# Altium PCB cyber60-smk-B2.PcbDoc (part 1 of 4) (continued)
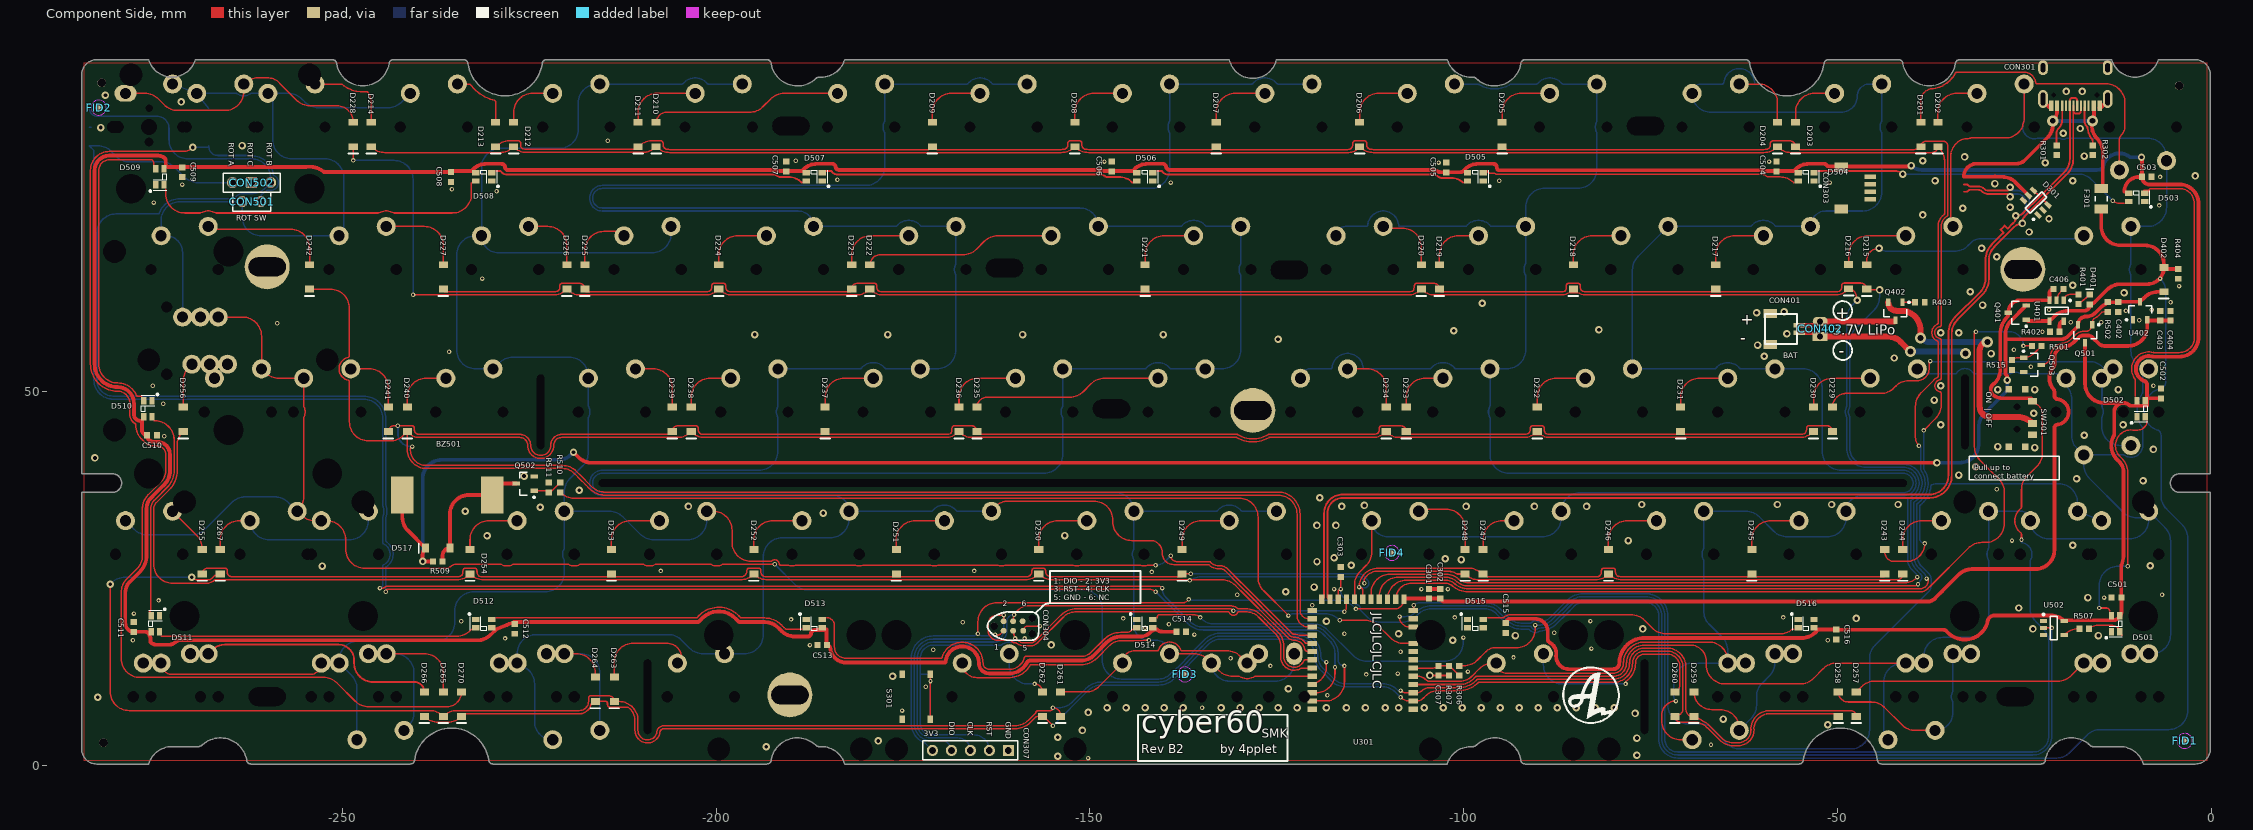
[diagram p0: Component Side view]
## Components (designator, comment, footprint, x,y, rotation, side; value= is the part's Value field where it differs from the comment) (continued)
S236 "MX" "SMK-switch - switched polarity" -156.787,47.315 r180 bottom locked
S237 "MX" "SMK-switch - switched polarity" -175.837,47.315 r180 bottom locked
S238 "MX" "SMK-switch - switched polarity" -194.887,47.315 r180 bottom locked
S239 "MX" SMK-switch -213.937,47.315 r180 bottom locked
S240 "MX" "SMK-switch - switched polarity" -232.987,47.315 r180 bottom
S241 "MX" SMK-switch -252.012,47.315 r180 bottom locked
S242 "MX" "SMK-switch - 1.5U" -271.087,66.365 r180 bottom locked
S243 "MX" "SMK-switch - Left shift v2" -21.056,28.265 r180 bottom locked
S244 "MX" "SMK-switch - switched polarity" -32.96,28.265 r180 bottom locked
S245 "MX" "SMK-switch - switched polarity" -52.012,28.265 r180 bottom locked
S246 "MX" "SMK-switch - switched polarity" -71.062,28.265 r180 bottom locked
S247 "MX" "SMK-switch - switched polarity" -90.112,28.265 r180 bottom locked
S248 "MX" SMK-switch -109.162,28.265 r180 bottom locked
S249 "MX" "SMK-switch - switched polarity" -128.212,28.265 r180 bottom locked
S250 "MX" "SMK-switch - switched polarity" -147.262,28.265 r180 bottom locked
S251 "MX" "SMK-switch - switched polarity" -166.312,28.265 r180 bottom locked
S252 "MX" "SMK-switch - switched polarity" -185.362,28.265 r180 bottom locked
S253 "MX" "SMK-switch - switched polarity" -204.412,28.265 r180 bottom locked
S254 "MX" "SMK-switch - switched polarity" -223.462,28.265 r180 bottom locked
S255 "MX" SMK-switch -275.85,28.265 r180 bottom
S256 "MX" "SMK-switch - Enter - rotated stab" -263.95,47.315 r180 bottom locked
S257 "MX" "SMK-switch - 1.5u MOD-L" -13.912,9.215 r180 bottom locked
S258 "MX" "SMK-switch - L_WIN V2" -37.719,9.215 r180 bottom locked
S259 "MX" "SMK-switch - L_ALT V2" -61.537,9.215 r180 bottom locked
S260 "MX" "SMK-switch - L split space_V2" -102.018,9.215 r0 bottom locked
S261 "MX" "SMK-switch - Space_V3" -142.499,9.215 r180 bottom locked
S262 "MX" "SMK-switch - R split space_V2" -163.931,9.215 r0 bottom locked
S263 "MX" "SMK-switch - switched polarity" -202.031,9.215 r180 bottom locked
S264 "MX" "SMK-switch - R_ALT V2" -223.462,9.215 r180 bottom locked
S265 "MX" "SMK-switch - R_WIN V2" -247.269,9.215 r180 bottom locked
S266 "MX" "SMK-switch - 1.5u MOD-R" -271.087,9.215 r180 bottom locked
S267 "MX" "SMK-switch - right shift v2" -259.18,28.265 r180 bottom locked
S301 "SW-PB" "XKB SWITCH" -173.228,9.215 r90 top
S302 "SW-PB" "XKB SWITCH" -173.228,9.215 r90 bottom locked
SW301 "Korean Hroparts Elec K3-1296S-E2" "Korean Hroparts Elec K3-1296S-E2" -26,46.5 r90 top
U301 "Holyiot-18010" "Holyiot-18010 - outer pads" -113.5,13.25 r180 top locked
U401 "TP4054 SOT23-5" SOT-23-5 -20.701,60.841 r270 top
U402 "XC6206P332MR - SOT23" SOT-23-3 -9.525,60.833 r90 top
U501 "EC-11 SMD" EC11-SMD -275.844,85.415 r90 bottom locked
U502 "SN74LV1T125" SOT-23-5 -21.082,18.415 r0 top

## Footprints (in the part's own frame and the unit in brackets; to place one, negate y for a bottom-side part, rotate by r counter-clockwise, add the part's x,y. Pads: shape width x height; smd on the part's side, far side on the other; paste and mask are expansions set on the pad)
"buzzer 12x12" [mm] "Buzzer"
  rect 3x5 smd: 1(-6,0) 2(6,0)
  body extent -6,-6 6,6, height 3.05
C0603[1608] [mm] "Chip Resistor, 2-Leads, Body 1,57x0,80mm, IPC Medium Density"
  rect 0.8x0.85 smd: 1(-0.65,0) 2(0.65,0)
  body extent -0.83,-0.43 0.82,0.43, height 0.5
C1206[3216] [mm]
  rect 1.2x1.8 smd: 1(-1.35,0) 2(1.35,0)
  silkscreen extent -0.35,-0.8 0.35,0.8, body extent -1.6,-0.9 1.6,0.9, height 1.2
EC11-SMD [mm]
  rect 1.5x2 smd: 1(-2.5,8) 2(2.5,8) A(-2.5,-8) B(2.5,-8) C(0,-8)
  rect 2.5x3 smd: M(-6.75,0)
  rect 2.5x2.2 smd: M(6.75,0.508)
  round 0 hole 1.2 unplated: ""(-2,0)
  round 0 hole 1.6 slot 2.2 at 90 deg unplated: ""(0,-4.5)
  round 0 hole 2.1 unplated: ""(0,0)
  round 0 hole 1 unplated: ""(2.5,0)
  body extent -7.5,-8.5 7.5,8.5, height 19.5
Fiducial_Nordic [mm]
  round 1 smd paste+0 mask+0.5: 0(0,0)
  Component Side keep-out circle w0.01: c0,0 r1
HDR1X2 [mm] "Connector; Header; 2 Position"
  round 1.5 hole 0.9: 1(0,0) 2(2.54,0)
  silkscreen extent -1.27,-1.27 3.81,1.27
HDR1X3 [mm] "Connector; Header; 3 Position"
  round 1.5 hole 0.9: 1(0,0) 3(5.08,0)
  rect 1.5x1.5 hole 0.9: 2(2.54,0)
  silkscreen extent -1.27,-1.27 6.35,1.27
HDR1X5 [mm] "Connector; Header; 5 Position"
  rect 1.5x1.5 hole 0.9: 1(0,0)
  round 1.5 hole 0.9: 2(2.54,0) 3(5.08,0) 4(7.62,0) 5(10.16,0)
  silkscreen extent -1.27,-1.27 11.43,1.27
"Holyiot-18010 - outer pads" [mm] "Holyiot long range Nordic nRF52840 chipset BLE module Ceramic Antenna Bluetooth low Energy for Bluetooth mesh"
  rect 1.3x0.7 smd: 1(-6.75,5.7) 2(-6.75,4.6) 3(-6.75,3.5) 4(-6.75,2.4) 5(-6.75,1.3) 6(-6.75,0.2) 7(-6.75,-0.9) 8(-6.75,-2) 9(-6.75,-3.1) 11(-6.75,-5.3) 12(-6.75,-6.4) 13(-6.75,-7.5) 25(6.75,-7.5) 26(6.75,-6.4) 27(6.75,-5.3) 28(6.75,-4.2) 29(6.75,-3.1) 30(6.75,-2) 31(6.75,-0.9) 32(6.75,0.2) 33(6.75,1.3) 34(6.75,2.4) 35(6.75,3.5) 36(6.75,4.6) 37(6.75,5.7)
  rect 0.7x1.3 smd: 14(-5.5,-9) 15(-4.4,-9) 16(-3.3,-9) 17(-2.2,-9) 18(-1.1,-9) 19(0,-9) 20(1.1,-9) 21(2.2,-9) 22(3.3,-9) 23(4.4,-9) 24(5.5,-9)
  body extent -6.75,-9 6.75,9, height 1.92
"JST S2B-PH-K(LF)(SN)" [mm]
  oval 1.25x2 hole 0.8: 1(1,0)
  rect 1.25x2 hole 0.8: 2(-1,0)
  body extent -2.95,-1.35 2.95,6.25, height 4.8
"JST SM02B-SRSS-TB" [mm]
  rect 0.6x1.55 smd: 1(-0.5,0) 2(0.5,0)
  rect 1.2x1.8 smd: 3(-2.1,-3.875) 3(2.1,-3.875)
  silkscreen extent -2,-4.57 2,-0.33, body extent -1.99,-4.58 1.99,0.41, height 3
"JST SM04B-SRSS-TB" [mm]
  rect 0.6x1.55 smd: 1(-1.5,3.875) 2(-0.5,3.875) 3(0.5,3.875) 4(1.5,3.875)
  rect 1.2x1.8 smd: 5(-2.8,0) 5(2.8,0)
  body extent -3.01,-0.76 2.99,4.19, height 3.25
"Korean Hroparts Elec K3-1296S-E2" [mm]
  rect 0.9x1.25 smd: 1(2.25,-2.075) 2(-0.75,-2.075) 3(-2.25,-2.075)
  rect 0.9x0.9 smd: M(-3.85,-1.1) M(-3.85,1.1) M(3.85,-1.1) M(3.85,1.1)
  round 0 hole 0.9 unplated: ""(-1.5,0) ""(1.5,0)
  body extent -3.85,-2.2 3.85,2.7, height 1.45
LED0603[1608] [mm] "Chip Resistor, 2-Leads, Body 1,57x0,80mm, IPC Medium Density"
  rect 0.8x0.85 smd: 1(-0.65,0) 2(0.65,0)
  silkscreen extent 1.37,-0.51 1.37,0.53, body extent -0.77,-0.4 0.83,0.4, height 0.8
R0603[1608] [mm] "Chip Resistor, 2-Leads, Body 1,57x0,80mm, IPC Medium Density"
  rect 0.8x0.85 smd: 1(-0.65,0) 2(0.65,0)
  body extent -0.83,-0.43 0.82,0.43, height 0.5
SMK-switch [mm]
  round 2.54 hole 1.499 mask+0.102: 1(-3.15,5.75) 2(3.15,4.5)
  round 1 hole 1.5 unplated: ""(-4.5,0) ""(4.5,0)
  round 1 on Mech14: ""(0,0)
"SMK-switch - 1.5U" [mm]
  round 2.54 hole 1.499 mask+0.102: 1(-3.15,5.75) 2(3.15,4.5)
  round 1 hole 1.5 unplated: ""(-4.5,0) ""(4.5,0)
  round 1 on Mech14: ""(0,0)
"SMK-switch - 1.5u MOD-L" [mm]
  round 2.54 hole 1.499 mask+0.102: 1(-5.531,5.75) 1(-3.15,5.75) 2(0.769,4.5) 2(3.15,4.5)
  round 1 hole 1.5 unplated: ""(-6.881,0) ""(-4.5,0) ""(2.119,0) ""(4.5,0)
  round 1 on Mech14: ""(-2.381,0) ""(0,0)
"SMK-switch - 1.5u MOD-R" [mm]
  round 2.54 hole 1.499 mask+0.102: 1(-3.15,5.75) 1(-0.769,5.75) 2(3.15,4.5) 2(5.531,4.5)
  round 1 hole 1.5 unplated: ""(-4.5,0) ""(-2.119,0) ""(4.5,0) ""(6.881,0)
  round 1 on Mech14: ""(0,0) ""(2.381,0)
"SMK-switch - backspace" [mm]
  round 2.54 hole 1.499 mask+0.102: 1(3.15,4.5) 1(6.375,5.75) 2(-3.15,5.75)
  oval 3x2.2 hole 1.499 mask+0.102: 2(12.675,4.5)
  round 1.524 hole 3.988 unplated: ""(-11.938,-8.255) ""(11.938,-8.255)
  round 1.524 hole 3.048 unplated: ""(-11.938,6.985) ""(11.938,6.985)
  round 1 hole 1.5 unplated: ""(-4.5,0) ""(4.5,0) ""(5.025,0) ""(14.025,0)
  round 1 on Mech14: ""(0,0) ""(9.525,0)
"SMK-switch - CAPS" [mm]
  round 2.54 hole 1.499 mask+0.102: 1(-7.912,5.75) 1(0.769,-5.75) 1(3.15,4.5) 2(-5.531,-4.5) 2(-3.15,5.75) 2(-1.613,4.5)
  round 1 hole 1.5 unplated: ""(-9.263,0) ""(-4.5,0) ""(-0.262,0) ""(4.5,0)
  round 1 on Mech14: ""(-4.763,0) ""(-2.381,0) ""(0,0)
"SMK-switch - Enter - rotated stab" [mm]
  round 2.54 hole 1.499 mask+0.102: 1(-3.15,5.75) 1(2.649,12.68) 1(5.03,12.68) 1(7.411,12.68) 2(1.399,6.38) 2(3.15,4.5) 2(3.78,6.38) 2(6.161,6.38)
  round 1.524 hole 3.988 unplated: ""(-11.938,-8.255) ""(1.275,-2.408) ""(1.275,21.468) ""(11.938,-8.255)
  round 1.524 hole 3.048 unplated: ""(-11.938,6.985) ""(11.938,6.985) ""(16.515,-2.408) ""(16.515,21.468)
  round 1 hole 1.5 unplated: ""(-4.5,0) ""(4.5,0) ""(9.53,5.03) ""(9.53,14.03)
  round 1 on Mech14: ""(0,0) ""(7.149,9.53) ""(9.53,9.53) ""(11.911,9.53)
"SMK-switch - L split space_V2" [mm]
  round 2.54 hole 1.499 mask+0.102: 1(12.675,-5.75) 2(6.375,-4.5)
  round 1.524 hole 3.988 unplated: ""(-2.413,-8.255)
  round 1.524 hole 3.048 unplated: ""(-2.413,6.985)
  round 1 hole 1.5 unplated: ""(5.025,0) ""(14.025,0)
  round 1 on Mech14: ""(9.525,0)
"SMK-switch - L_ALT V2" [mm]
  round 2.54 hole 1.499 mask+0.102: 1(-5.531,5.75) 1(-3.15,5.75) 1(1.613,-4.5) 2(0.769,4.5) 2(3.15,4.5) 2(7.912,-5.75)
  round 1 hole 1.5 unplated: ""(-6.881,0) ""(-4.5,0) ""(2.119,0) ""(4.5,0)
  round 1 on Mech14: ""(-2.381,0) ""(0,0) ""(4.763,0)
"SMK-switch - L_WIN V2" [mm]
  round 2.54 hole 1.499 mask+0.102: 1(-5.531,5.75) 1(-3.15,5.75) 1(-0.769,-4.5) 2(0.769,4.5) 2(3.15,4.5) 2(5.531,-5.75)
  round 1 hole 1.5 unplated: ""(-6.881,0) ""(-4.5,0) ""(2.119,0) ""(4.5,0)
  round 1 on Mech14: ""(-2.381,0) ""(0,0) ""(2.381,0)
"SMK-switch - Left shift v2" [mm]
  round 2.54 hole 1.499 mask+0.102: 1(-12.675,5.75) 1(3.15,4.5) 2(-6.375,4.5) 2(-3.15,5.75)
  round 1 hole 1.5 unplated: ""(-14.025,0) ""(-5.025,0) ""(-4.5,0) ""(4.5,0)
  round 1.524 hole 3.988 unplated: ""(-11.938,-8.255) ""(11.938,-8.255)
  round 1.524 hole 3.048 unplated: ""(-11.938,6.985) ""(11.938,6.985)
  round 1 on Mech14: ""(-9.525,0) ""(0,0)
"SMK-switch - R split space_V2" [mil]
  round 100 hole 59 mask+4: 1(124.02,-226.38) 2(-124.02,-177.17)
  round 60 hole 157.01 unplated: ""(-470,-325) ""(470,-325)
  round 60 hole 120 unplated: ""(-470,275) ""(470,275)
  round 39.37 hole 59.06 unplated: ""(-177.17,0) ""(177.17,0)
  round 39.37 on Mech14: ""(0,0)
"SMK-switch - R_ALT V2" [mm]
  round 2.54 hole 1.499 mask+0.102: 1(-7.912,-4.5) 1(-3.15,5.75) 1(-0.769,5.75) 2(-1.613,-5.75) 2(3.15,4.5) 2(5.531,4.5)
  round 1 on Mech14: ""(-4.763,0) ""(0,0) ""(2.381,0)
  round 1 hole 1.5 unplated: ""(-4.5,0) ""(-2.119,0) ""(4.5,0) ""(6.881,0)
"SMK-switch - R_WIN V2" [mm]
  round 2.54 hole 1.499 mask+0.102: 1(-5.531,-4.5) 1(-3.15,5.75) 1(-0.769,5.75) 2(0.769,-5.75) 2(3.15,4.5) 2(5.531,4.5)
  round 1 hole 1.5 unplated: ""(-4.5,0) ""(-2.119,0) ""(4.5,0) ""(6.881,0)
  round 1 on Mech14: ""(-2.381,0) ""(0,0) ""(2.381,0)
"SMK-switch - right shift v2" [mm]
  round 2.54 hole 1.499 mask+0.102: 1(-12.675,5.75) 1(3.15,4.5) 2(-6.375,4.5) 2(-3.15,5.75)
  round 1 hole 1.5 unplated: ""(-14.025,0) ""(-5.025,0) ""(-4.5,0) ""(4.5,0)
  round 1.524 hole 3.988 unplated: ""(-11.938,-8.255) ""(11.938,-8.255)
  round 1.524 hole 3.048 unplated: ""(-11.938,6.985) ""(11.938,6.985)
  round 1 on Mech14: ""(-9.525,0) ""(0,0)
"SMK-switch - Space_V3" [mm]
  oval 2.2x3 hole 1.499 mask+0.102: 1(-19.826,5.75)
  round 2.54 hole 1.499 mask+0.102: 1(-8.756,4.5) 1(-3.15,5.75) 2(-15.056,5.75) 2(-13.526,4.5) 2(3.15,4.5)
  round 1.524 hole 3.048 unplated: ""(-61.91,-6.985) ""(-57.15,-6.985) ""(38.09,-6.985) ""(57.15,-6.985)
  round 1.524 hole 3.988 unplated: ""(-61.91,8.255) ""(-57.15,8.255) ""(38.09,8.255) ""(57.15,8.255)
  round 1 hole 1.5 unplated: ""(-21.176,0) ""(-16.406,0) ""(-12.176,0) ""(-7.406,0) ""(-4.5,0) ""(4.5,0)
  round 1 on Mech14: ""(-16.676,0) ""(-11.906,0) ""(0,0)
"SMK-switch - switched polarity" [mm]
  round 2.54 hole 1.499 mask+0.102: 1(3.15,4.5) 2(-3.15,5.75)
  round 1 hole 1.5 unplated: ""(-4.5,0) ""(4.5,0)
  round 1 on Mech14: ""(0,0)
SOD-123 [mm]
  rect 0.91x1.22 smd: 1(1.635,0) 2(-1.635,0)
  silkscreen extent -2.54,-0.64 -2.54,0.63, body extent -1.87,-0.85 1.88,0.85, height 1.2
SOT-23-3 [mm] "3.3v regulator, used in Windsond S2 proto 1"
  rect 1x0.55 smd: 1(-1.2,0.95) 2(-1.2,-0.95) 3(1.2,0)
  silkscreen extent -1.33,-1.55 0.7,1.95, body extent -1.45,-1.5 1.1,1.5, height 1
SOT-23-5 [mm]
  rect 1x0.55 smd: 1(-1.375,0.95) 2(-1.375,0) 3(-1.375,-0.95) 4(1.375,-0.95) 5(1.375,0.95)
  silkscreen extent -1.5,-1.55 0.46,1.93, body extent -1.63,-1.5 1.58,1.5, height 0.92
SOT-23-6 [mm]
  rect 1x0.55 smd: 1(-1.375,0.95) 2(-1.375,0) 3(-1.375,-0.95) 4(1.375,-0.95) 5(1.375,0) 6(1.375,0.95)
  silkscreen extent -1.5,-1.55 0.46,1.92, body extent -1.37,-1.44 1.47,1.49, height 1.05
TC2030-IDC-NL [mm] "Tag-Connect 6-Pin with No Legs (PN# TC2030-IDC-NL)"
  round 0.9 hole 0.995 unplated: 0(-2.54,0) 0(2.54,-1.016) 0(2.54,1.016)
  round 0.79 smd paste-0.39: 1(-1.27,-0.635) 2(-1.27,0.635) 3(0,-0.635) 4(0,0.635) 5(1.35,-0.635) 6(1.27,0.635)
  silkscreen extent -3.43,-1.91 3.43,1.9
TYPE-C-31-M-12 [mm]
  rect 0.6x1.45 smd: A1B12(-3.25,0) A4B9(-2.45,0) B1A12(3.25,0) B4A9(2.45,0)
  rect 0.3x1.45 smd: A5(-1.25,0) A6(-0.25,0) A7(0.25,0) A8(1.25,0) B5(1.75,0) B6(0.75,0) B7(-0.75,0) B8(-1.75,0)
  oval 1.3x2.4 hole 0.6 slot 1.7 at 90 deg: S1(-4.32,-0.915)
  oval 1.3x2 hole 0.6 slot 1.2 at 90 deg: S1(-4.32,-5.095) S1(4.32,-5.095)
  oval 1.3x2.4 / inner oval 1x2.1 / far side oval 1x2.1 hole 0.6 slot 1.7 at 90 deg: S1(4.32,-0.915)
  round 0 hole 0.65 unplated: ""(-2.89,-1.445) ""(2.89,-1.445)
  body extent -4.47,-7.72 4.47,0.18, height 3.21
"WS2812B - 2020" [mm]
  rect 1x0.7 smd: 1(-1.065,-0.55) 2(1.065,-0.55) 3(1.065,0.55) 4(-1.065,0.55)
  silkscreen extent -0.38,-1.39 2.03,0.89, body extent -1.1,-1 1.1,1, height 0.86
"XKB SWITCH" [mm] "XKB Enterprise TS-1187A-C-D-B"
  rect 1x0.75 smd: 1(-3,1.875) 1(3,1.875) 2(-3,-1.875) 2(3,-1.875)
  body extent -3.25,-2.55 3.25,2.55, height 2

## Part data
BZ501: library part Speaker, "Loudspeaker", LCSC MFG=Fengming, LCSC Part #=C409829, MRF.Part=YS-SBZ1230
C301 C402 C404 C406: library part Cap, "Capacitor", LCSC MFG="Samsung Electro-Mechanics", LCSC Part #=C19666, MRF.Part=CL10A475KO8NNNC
C302 C303 C501 C502 C503 C504 C505 C506 C507 C508 C509 C510 C511 C512 C513 C514 C515 C516: library part Cap, "Capacitor", LCSC MFG=YAGEO, LCSC Part #=C14663, MFG=KEMET, MFGPN=C0603C104M5RACTU, MRF.Part=CC0603KRX7R9BB104, Version="0603 imperial"
C307: library part Cap, "Capacitor", Version="0603 imperial"
C403: library part Cap, "Capacitor", LCSC MFG="Samsung Electro-Mechanics", LCSC Part #=C15849, MFG=KEMET, MFGPN=C0603C104M5RACTU, MRF.Part=CL10A105KB8NNNC, Version="0603 imperial"
CON301: LCSC MFG="Korean Hroparts Elec", LCSC Part #=C165948, MFG="Korean Hroparts Elec", MFGPN=TYPE-C-31-M-12, MRF.Part=TYPE-C-31-M-12
CON303: "JST for USB daughter board", LCSC MFG="JST Sales America", LCSC Part #=C160404, MFG="JST Sales America Inc.", MFGPN=SM04B-SRSS-TB(LF)(SN), MRF.Part=SM04B-SRSS-TB(LF)(SN)
CON304: library part "Header 3X2", "Header, 3-Pin, Dual row"
CON307: "Header, 5-Pin"
CON401: library part "JST S2B-PH-SM4-TB", LCSC MFG="JST Sales America", LCSC Part #=C160402, MRF.Part=SM02B-SRSS-TB(LF)(SN)
CON402: library part "Header 2", "Header, 2-Pin", LCSC MFG="JST Sales America", LCSC Part #=C265016, MRF.Part=S2B-PH-K(LF)(SN)
CON501: "Header, 2-Pin"
CON502: "Header, 3-Pin"
D201 D202 D203 D204 D205 D206 D207 D208 D209 D210 D211 D212 D213 D214 D215 D216 D217 D218 D219 D220 D221 D222 D223 D224 D225 D226 D227 D228 D229 D230 D231 D232 D233 D234 D235 D236 D237 D238 D239 D240 D241 D242 D243 D244 D245 D246 D247 D248 D249 D250 D251 D252 D253 D254 D255 D256 D257 D258 D259 D260 D261 D262 D263 D264 D265 D266 D267 D270: "Default Diode", LCSC MFG=ST(Semtech), LCSC Part #=C81598, MRF.Part=1N4148W, Version=SOD-123
D301: LCSC MFG="ProTek Devices", LCSC Part #=C85364, MRF.Part=SRV05-4-P-T7
D401: "Typical INFRARED GaAs LED", LCSC MFG="Everlight Elec", LCSC Part #=C72038, MRF.Part=19-213/Y2C-CQ2R2L/3T(CY)
D402: "Default Diode", LCSC MFG="Changjiang Electronics Tech (CJ)", LCSC Part #=C8598, MRF.Part=B5819W, Version=SOD-123
D501 D502 D503 D504 D505 D506 D507 D508 D509 D510 D511 D512 D513 D514 D515 D516: library part WS2812B, LCSC MFG=Worldsemi, LCSC Part #=C965556, MRF.Part=WS2812C-2020
D517: library part Diode, "Default Diode", LCSC MFG="Changjiang Electronics Tech (CJ)", LCSC Part #=C8598, MRF.Part=B5819W, Version=SOD-123
F301: "Thermal Fuse", LCSC MFG="Shenzhen JDT Fuse", LCSC Part #=C135338, MFG="Bel Fuse Inc.", MFGPN=0ZCJ0050FF2G, MRF.Part=ASMD1206-050
Q401 Q402: "P-Channel Power MOSFET", LCSC MFG="Vishay Intertech", LCSC Part #=C10487, MRF.Part=SI2301CDS-T1-GE3
  Q401: Note="Pin 4 not drawn and electrically connected to Pin 2."
  Q402: Version=SOT23-3
Q501: library part PMOS-2, "P-Channel Power MOSFET", LCSC MFG="Vishay Intertech", LCSC Part #=C10487, MRF.Part=SI2301CDS-T1-GE3, Note="Pin 4 not drawn and electrically connected to Pin 2."
Q502 Q503: library part MOSFET-N, "N-Channel MOSFET", LCSC MFG="Changjiang Electronics Tech (CJ)", LCSC Part #=C8545, MRF.Part=2N7002
R301 R302 R402: "Resistor", LCSC MFG="Uniroyal Elec", LCSC Part #=C23186, MFG="Panasonic Electronic Components", MFGPN=ERJ-3EKF5101V, MRF.Part=0603WAF5101T5E, Version="0603 imperial"
R306: "Resistor", LCSC MFG="Uniroyal Elec", LCSC Part #=C22935, MRF.Part=0603WAF1004T5E, Version="0603 imperial"
R307 R502: "Resistor", LCSC MFG="Uniroyal Elec", LCSC Part #=C22976, MRF.Part=0603WAF2004T5E, Version="0603 imperial"
R401: "Resistor", LCSC MFG="UNI-ROYAL(Uniroyal Elec)", LCSC Part #=C23179, MFG="Panasonic Electronic Components", MFGPN=ERJ-3EKF5101V, MRF.Part=0603WAF4700T5E, Version="0603 imperial"
R403: "Resistor", LCSC MFG="Uniroyal Elec", LCSC Part #=C25804, MFG="Panasonic Electronic Components", MFGPN=ERJ-3EKF5101V, MRF.Part=0603WAF1002T5E, Version="0603 imperial"
R404 R511 R515: "Resistor", LCSC MFG="Uniroyal Elec", LCSC Part #=C25803, MRF.Part=0603WAF1003T5E, Version="0603 imperial"
R501 R507 R510: "Resistor", LCSC MFG="Uniroyal Elec", LCSC Part #=C23138, MRF.Part=0603WAF3300T5E, Version="0603 imperial"
R509: "Resistor", LCSC MFG="Uniroyal Elec", LCSC Part #=C23228, MRF.Part=0603WAF6800T5E, Version="0603 imperial"
S201 S202 S203 S204 S205 S206 S207 S208 S209 S210 S211 S212 S213 S214 S216 S217 S218 S219 S220 S221 S222 S223 S224 S225 S226 S227 S228 S229 S230 S231 S232 S233 S234 S235 S236 S237 S238 S239 S240 S241 S242 S243 S244 S245 S246 S247 S248 S249 S250 S251 S252 S253 S254 S255 S256 S257 S258 S259 S260 S261 S262 S263 S264 S265 S266 S267: library part SW-PB, "Switch"
S215: library part SW-PB, "TAB"
S301 S302: "Switch", LCSC MFG="XKB Enterprise", LCSC Part #=C318888, MFG=C&K, MFGPN="PTS645SM43SMTR92 LFS", MRF.Part=TS-1187A-C-D-B
SW301: LCSC MFG="Korean Hroparts Elec", LCSC Part #=C136659, MFGPN=K3-1296S-E2
U401: library part MCP73831, LCSC MFG="Nanjing Extension Microelectronics", LCSC Part #=C32574, MRF.Part=TP4054
U402: library part "SOT23 LDO", LCSC MFG="Torex Semicon", LCSC Part #=C5446, MFG="Texas Instruments", MFGPN=TPS7A0533PDBZ, MRF.Part=XC6206P332MR
U501: library part EC-11
U502: "SN74LV1T125 or SN74LV1T34. Connect OE to GND", LCSC MFG="Texas Instruments", LCSC Part #=C473338, MRF.Part=SN74LV1T125DBVR, Version=SOT-23
U301: MFG=HolyIOT, MFGPN=18010

## Free pads (board coordinates)
  round 1.152 hole 1.152 unplated paste+0.148 mask+0.148: ""(-282.194,91.313) ""(-281.94,3.048) ""(-4.318,90.932)
  round 0 hole 2.5 slot 5 at 0 deg unplated: ""(-260.05,9.215) ""(-189.992,85.542) ""(-161.423,66.548) ""(-147.123,47.742) ""(-123.323,66.294) ""(-75.692,85.542) ""(-26.25,9.215)
  round 6 hole 2.5 slot 5 at 0 deg: ""(-260.05,66.715) ""(-190.119,9.45) ""(-128.212,47.5) ""(-25.2,66.365)
  round 0 hole 1 slot 10 at 90 deg unplated: ""(-223.462,47.315) ""(-209.169,9.215) ""(-75.819,9.215) ""(-32.962,47.315)
  round 0 hole 1 slot 175 at 0 deg unplated: ""(-128.212,37.79)

## Via types
v1: diameter 1, hole 0.5, Component Side to Bottom Layer, tented both sides, 161 vias
v2: diameter 0.6, hole 0.3, Component Side to Bottom Layer, tented both sides, 139 vias
v3: diameter 1.5, hole 0.8, Component Side to Bottom Layer, tented both sides, 4 vias
v4: diameter 1.5, hole 0.75, Component Side to Bottom Layer, tented both sides, 2 vias

## Nets (pads, with @x,y where several pads share a name; then routed paths per layer and width w, separated by ;. In a path a pad name is that pad's centre, name@x,y a point inside that pad or via, vN(x,y) a via of type N, cw(c..) or ccw(c..) an arc to the next point about the centre after c; other vN are vias at no path point)
col1: S201.1 S202.2 S215.1 S216.2 S229.1 S230.2 S243.1 S244.2 S257.1 S258.2 U301.4 | length 316.2
  Component Side w0.203: U301.4@-106.75,10.85 -101.092,10.85 cw(c-101.028,10.657) -101.027,10.86 -100.562,10.86 ccw(c-100.562,13.567) -98.648,11.653 -98.422,11.878 cw(c-98.279,11.735) -98.279,11.938 -95.84,11.938 -80.01,11.938 ccw(c-80.01,13.715) -78.233,13.715 cw(c-75.819,13.715) -78.229,13.858 cw(c-75.819,13.715) -78.066,14.598 cw(c-75.819,13.715) -75.629,16.122 ; -75.819,16.129 cw(c-75.819,13.715) -75.634,16.122 ccw(c-75.519,17.585) -75.629,16.122 ; -69.511,16.118 -75.519,16.118 cw(c-75.519,17.585) -75.629,16.122 ; -69.511,16.118 cw(c-69.51,15.915) -69.487,16.116 cw(c-69.723,13.97) -67.564,13.97 -67.564,13.462 ccw(c-65.024,13.462) -65.024,10.922 -55.027,10.922 ccw(c-55.027,13.462) -53.231,11.666 -51.926,12.971 cw(c-50.13,11.175) -50.13,13.715 S258.2@-40.869,13.715 ; S216.2@-35.225,71.499 cw(c-35.022,71.499) -35.152,71.655 ccw(c-35.639,72.236) -34.881,72.236 -34.881,81.407 cw(c-32.341,81.407) -32.974,83.867 cw(c-32.924,83.67) -32.898,83.871 ccw(c-32.7,85.415) -32.213,83.937 cw(c-32.149,83.744) -32.148,83.947 -27.59,83.947 ccw(c-27.59,86.487) -25.27,85.452 ccw(c-25.455,85.536) -25.253,85.522 cw(c-23.7,85.415) -25.088,86.118 ccw(c-25.27,86.21) -25.068,86.185 ccw(c-27.59,86.487) -25.05,86.487 S202.2@-25.05,91.165
  Bottom Layer w0.203: S258.2@-43.25,3.465 cw(c-43.25,4.03) -43.815,4.03 -43.815,11.175 cw(c-41.275,11.175) -41.275,13.715 S258.2@-40.869,13.715 ; S230.2@-39.338,53.065 ccw(c-38.667,53.065) -38.667,52.395 -34.253,52.395 ccw(c-34.253,52.598) -34.079,52.493 cw(c-32.962,51.815) -31.845,52.493 ccw(c-31.671,52.598) -31.671,52.395 -26.946,52.395 ccw(c-26.946,52.598) -26.84,52.425 cw(c-26.162,51.308) -25.484,52.425 ccw(c-25.378,52.598) -25.378,52.395 -20.844,52.395 cw(c-20.844,50.415) S229.1@-19.444,51.815 -19.444,51.636 cw(c-20.267,51.636) -19.685,51.054 -19.413,50.782 cw(c-21.209,48.986) -18.669,48.986 -18.669,44.105 ccw(c-16.129,44.105) -18.323,42.826 S229.1@-17.062,41.565 ; S258.2@-38.488,13.715 -38.488,14.605 cw(c-35.948,14.605) -35.948,17.145 -32.35,17.145 ccw(c-32.35,19.685) -29.81,19.685 -29.81,27.437 ccw(c-30.013,27.438) -29.834,27.534 cw(c-28.46,28.265) -29.834,28.996 ccw(c-30.013,29.092) -29.81,29.093 S244.2@-29.81,34.015 -25.456,34.015 cw(c-25.456,32.765) S243.1@-24.206,32.765 ccw(c-21.794,32.765) -21.794,30.353 -10.921,30.353 ccw(c-10.921,32.893) -8.381,32.893 S243.1@-8.381,34.015 ; S202.2@-25.05,91.165 -25.05,86.243 cw(c-25.253,86.242) -25.074,86.146 ccw(c-23.7,85.415) -24.118,83.916 ccw(c-23.7,85.415) -23.307,83.909 cw(c-23.255,83.713) -23.254,83.916 -20.315,83.916 cw(c-20.316,83.713) -20.214,83.888 ccw(c-19.812,84.582) -19.41,83.888 cw(c-19.308,83.713) -19.307,83.916 -8.54,83.916 cw(c-8.54,81.376) -6,81.376 S201.1@-6,80.915 -6,74.655 cw(c-8.54,74.655) -8.54,72.115 S215.1@-10.763,72.115 -10.763,67.193 cw(c-10.966,67.192) -10.786,67.096 ccw(c-9.412,66.365) -10.786,65.634 cw(c-10.966,65.538) -10.763,65.537 -10.763,62.992 -10.763,58.166 -10.763,55.446 ccw(c-8.381,55.446) S229.1@-8.761,53.096 ; S229.1@-20.194,52.395 cw(c-20.194,50.415) S229.1@-18.794,51.815 ; -9.212,42.556 ccw(c-10.763,42.815) -9.21,43.058 ; S257.1@-8.381,14.965 -8.001,14.965 ccw(c-8.001,17.505) -5.461,17.505 -5.461,30.043 ccw(c-8.001,30.043) -6.205,31.839 S243.1@-8.381,34.015 ; S229.1@-8.381,53.065 ccw(c-8.381,52.234) -9.212,52.234 -9.212,49.881 cw(c-9.416,49.88) -9.247,49.767 ccw(c-6.046,47.625) -9.878,48.009 cw(c-10.08,48.029) -9.881,47.989 ccw(c-8.991,47.811) -9.899,47.811 -9.899,47.498 ccw(c-8.991,47.498) -9.898,47.451 cw(c-10.101,47.44) -9.897,47.439 -9.897,47.41 cw(c-10.101,47.411) -9.897,47.405 ccw(c-7.031,47.315) -9.897,47.22 cw(c-10.1,47.214) -9.897,47.216 ccw(c-6.552,47.246) -9.252,45.27 cw(c-9.416,45.15) -9.212,45.149 -9.212,43.09 ccw(c-9.009,43.09) -9.21,43.06 ccw(c-9.009,43.09) -9.21,43.058 ; S229.1@-17.062,41.565 -11.938,41.565 ccw(c-11.938,44.105) -11.798,41.569 cw(c-11.787,41.366) -11.67,41.532 ccw(c-10.763,42.815) -11.666,41.529 ccw(c-10.763,42.815) -9.382,42.064 ccw(c-10.763,42.815) -9.197,42.955 ccw(c-10.763,42.815) -9.21,43.058 ; S229.1@-17.062,41.565 -17.062,40.213 ccw(c-14.522,40.213) -16.319,38.417 -11.793,33.891 ccw(c-9.997,35.687) -9.997,33.147 -9.249,33.147 ccw(c-9.249,34.015) -8.509,33.562 ccw(c-9.249,34.015) S243.1@-8.381,34.015
  Bottom Layer w0.254: S243.1@-23.624,33.373 S243.1@-23.596,33.345
col2: S203.2 S204.2 S217.2 S218.2 S231.2 S232.2 S245.2 S246.2 S259.2 S260.2 U301.5 | length 286.8
  Component Side w0.203: U301.5@-106.75,11.95 -106.078,11.95 cw(c-106.078,10.633) -105.147,11.564 ccw(c-104.521,12.065) -104.521,11.263 -100.562,11.263 ccw(c-100.562,13.567) -98.933,11.938 -97.9,12.971 cw(c-96.104,11.175) -96.104,13.715 S260.2@-95.643,13.715 ccw(c-94.269,13.715) -94.269,12.341 -80.01,12.341 ccw(c-80.01,13.715) -78.655,13.49 ; -78.747,13.176 ccw(c-80.01,13.715) -78.637,13.715 cw(c-75.819,13.715) -78.634,13.844 cw(c-75.819,13.715) -78.441,14.746 cw(c-75.819,13.715) -78.057,15.427 cw(c-75.819,13.715) -76.114,16.517 ; -76.114,16.517 cw(c-75.819,13.715) -75.598,16.524 ; -75.819,16.533 cw(c-75.819,13.715) -75.603,16.524 ccw(c-75.519,17.585) -75.598,16.524 ; v2(-71.628,8.636) ccw(c-71.628,6.731) -73.533,6.731 -73.533,6.005 ccw(c-70.993,6.005) -70.993,3.465 S259.2@-69.449,3.465 ; S259.2@-64.687,13.715 -64.687,13.993 ccw(c-67.227,13.993) -66.973,16.52 ccw(c-66.994,16.318) -66.995,16.521 -75.519,16.521 cw(c-75.519,17.585) -75.598,16.524 ; S259.2@-64.493,13.909 S259.2@-63.799,13.215
  Bottom Layer w0.203: v2(-71.628,8.636) cw(c-70.976,9.288) -71.898,9.288 -71.898,11.175 cw(c-69.358,11.175) -69.358,13.715 S259.2@-64.687,13.715 -64.687,15.375 ccw(c-67.227,15.375) -65.431,17.171 -67.168,18.908 cw(c-65.372,20.704) -67.912,20.704 -67.912,27.437 ccw(c-68.115,27.438) -67.936,27.534 cw(c-66.562,28.265) -67.936,28.996 ccw(c-68.115,29.092) -67.912,29.093 S246.2@-67.912,34.015 -62.245,34.015 cw(c-62.245,31.475) -60.449,33.271 -58.529,31.351 ccw(c-56.733,33.147) -56.733,30.607 -51.402,30.607 ccw(c-51.402,33.147) -48.862,33.147 S245.2@-48.862,34.015 cw(c-46.797,34.015) -46.797,36.08 -41.212,36.08 ccw(c-41.212,37.79) -41.212,39.5 -46.99,39.5 -49.53,39.5 cw(c-49.53,42.04) -52.07,42.04 -52.07,50.525 ccw(c-54.61,50.525) -54.61,53.065 S231.2@-58.388,53.065 -62.931,53.065 cw(c-62.931,53.268) -63.088,53.139 ccw(c-64.687,51.815) -63.332,53.388 ccw(c-64.687,51.815) -63.333,53.389 ; -66.174,53.34 ccw(c-66.174,53.543) -66.042,53.389 ; -66.042,53.389 cw(c-64.687,51.815) -63.333,53.389 ; -61.082,91.35 ccw(c-63.15,91.165) -65.218,91.35 cw(c-65.421,91.368) -65.421,91.165 -68.2,91.165 ccw(c-68.2,89.915) S204.2@-69.45,89.915 ccw(c-66.911,89.915) -66.911,87.376 -49.53,87.376 ccw(c-49.53,89.535) -47.371,89.535 cw(c-45.741,89.535) -45.743,91.165 cw(c-45.741,89.535) -45.741,91.165 S203.2@-44.1,91.165 -44.1,86.243 cw(c-44.303,86.242) -44.124,86.146 ccw(c-42.75,85.415) -44.124,84.684 cw(c-44.303,84.588) -44.1,84.587 -44.1,76.72 cw(c-46.64,76.72) -46.64,74.18 -51.56,74.18 ccw(c-51.56,72.115) -53.213,73.353 ccw(c-51.56,72.115) S217.2@-53.625,72.115 -58.169,72.115 cw(c-58.169,72.318) -58.325,72.189 ccw(c-59.925,70.865) -61.525,72.189 cw(c-61.681,72.318) -61.681,72.115 S218.2@-72.675,72.115 -76.694,68.096 ccw(c-74.898,66.3) -77.438,66.3 S232.2@-77.438,53.065 -66.444,53.065 ccw(c-66.444,53.268) -66.287,53.139 cw(c-64.687,51.815) -66.042,53.389 ; -66.042,53.389 cw(c-64.687,51.815) -63.333,53.389